# Altium PCB Bran_Main_Assay_PCB_v2_20170728.pcbdoc (part 2 of 4) (continued)
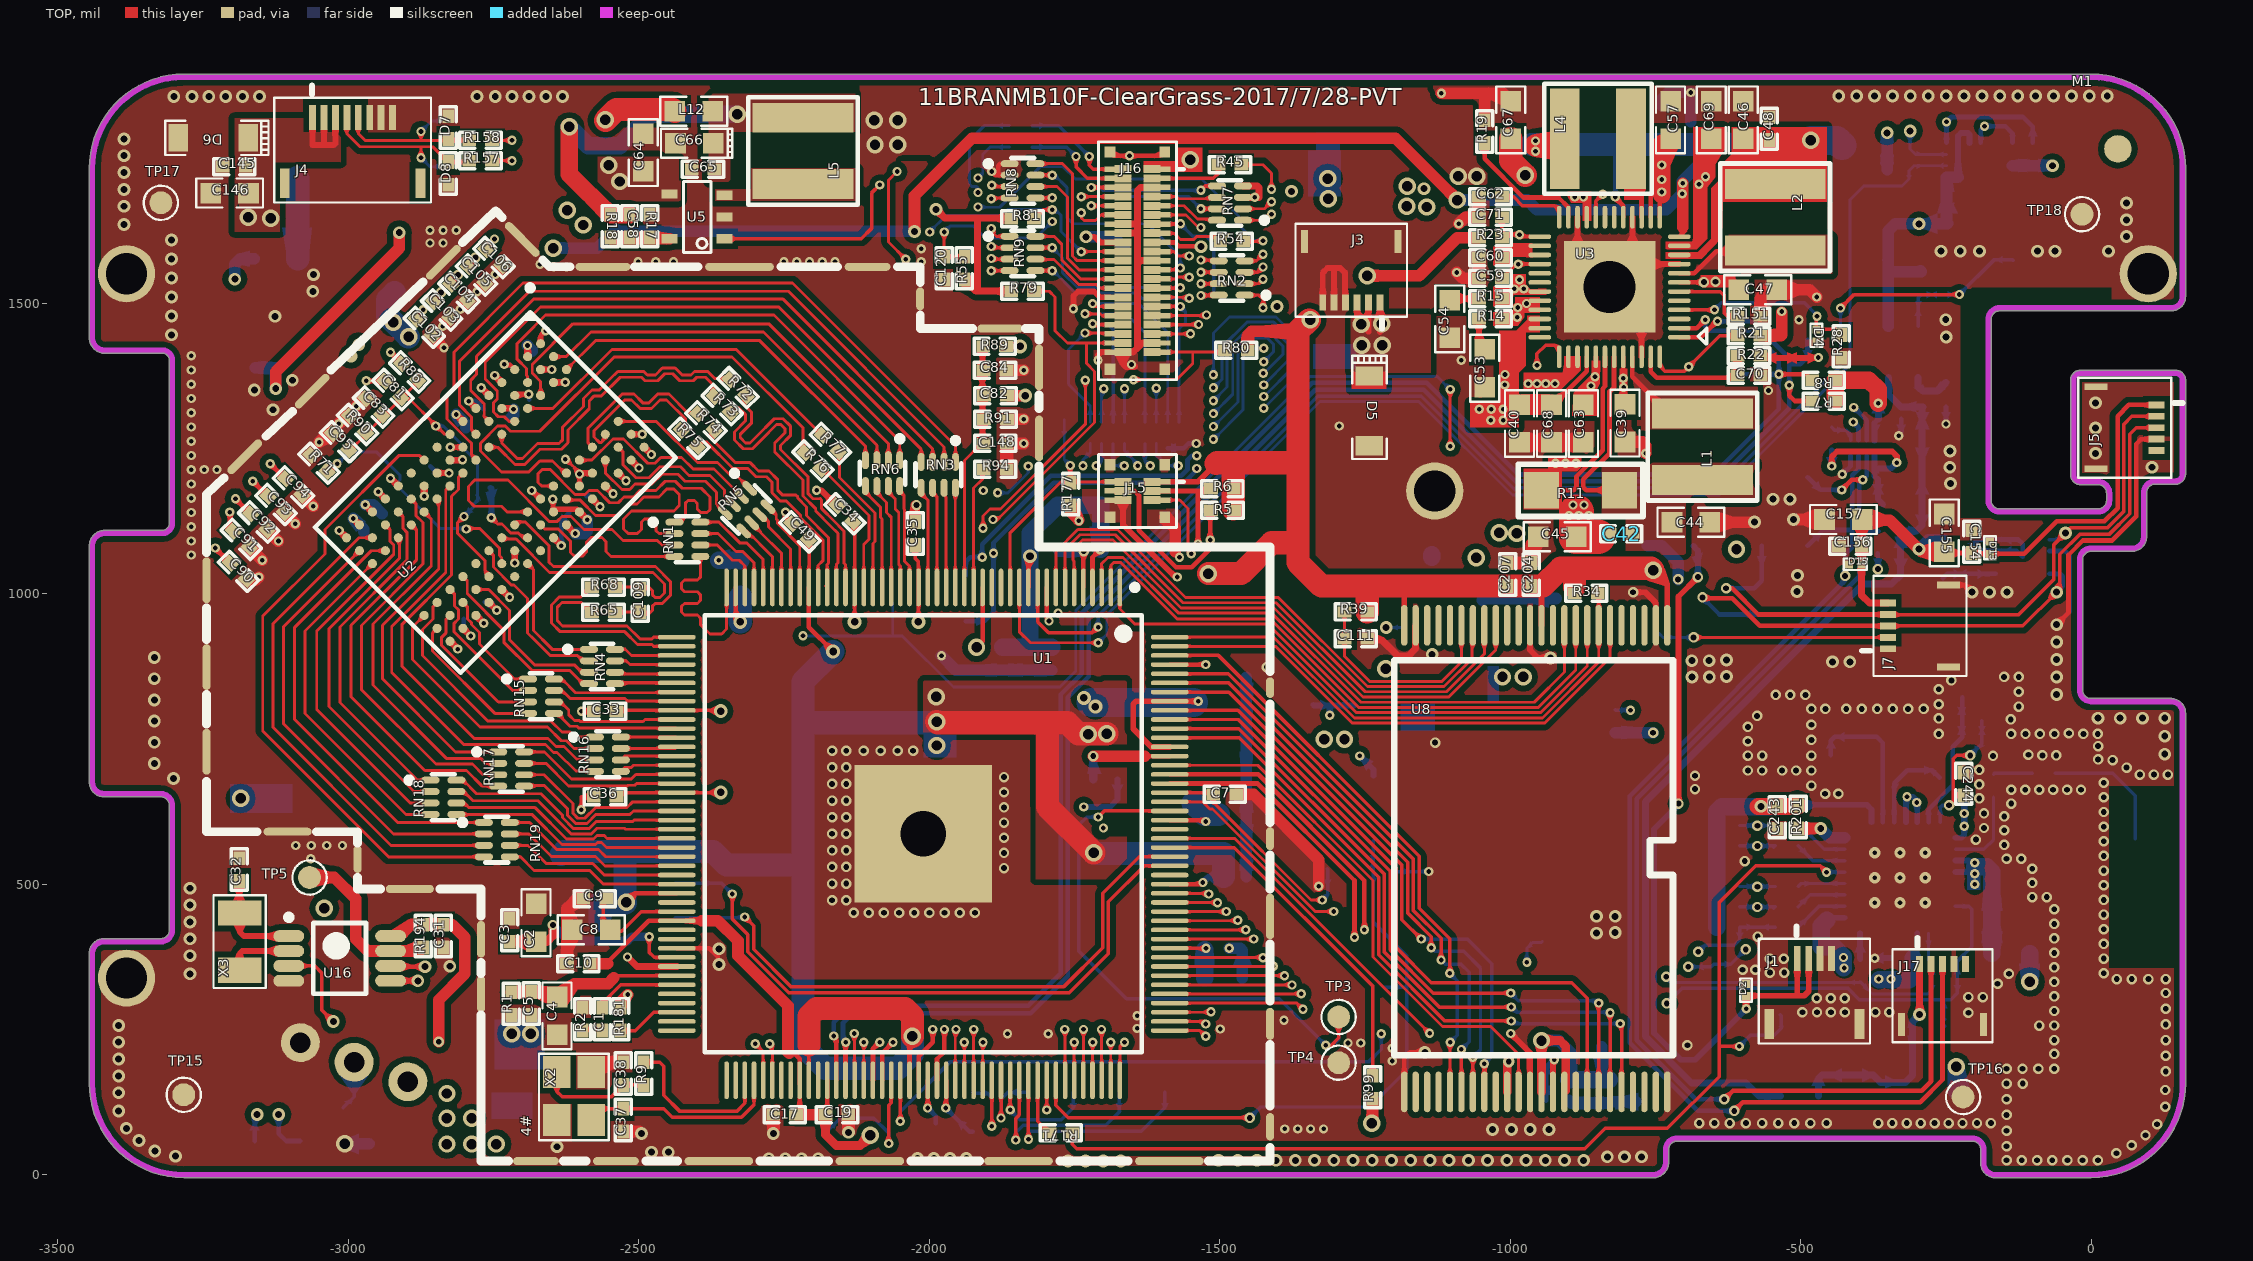
[diagram p0: TOP view]
## Nets (pads, with @x,y where several pads share a name; then routed paths per layer and width w, separated by ;. In a path a pad name is that pad's centre, name@x,y a point inside that pad or via, vN(x,y) a via of type N, cw(c..) or ccw(c..) an arc to the next point about the centre after c; other vN are vias at no path point) (continued)
  TOP w12: J16.42@-1666.73,1415 -1666.73,1397.02 -1661.45,1391.74 v1@-1646.45,1391.74 ; J16.42@-1666.73,1416.14 -1649.05,1416.14 -1641.95,1423.24 ; J16.16@-1666.73,1620.87 -1642.07,1620.87 ; J16.14@-1666.73,1636.61 -1642.07,1636.61 ; J16.39@-1616.73,1431.89 -1633.3,1431.89 -1641.95,1423.24 ; J16.21@-1616.73,1573.62 -1636.39,1573.62 -1641.95,1568.06 ; J16.5@-1616.73,1699.61 -1636.39,1699.61 -1641.95,1694.04 -1641.95,1568.06 ; RN7.3@-1460.22,1682.58 -1460.06,1682.74 -1432.45,1682.74 -1432.45,1699.74 -1434.98,1702.27 RN7.4@-1460.22,1702.27 ; C111.1@-1245.79,923 C111.1@-1245.96,922.83 -1244.13,921 -1221.46,921 -1193.46,893 -1175.38,893 -1162.72,905.67 U8.23@-1162.72,945.83 U8.23@-1162.65,945.76 ; -1641.95,1423.24 -1641.95,1568.06
  TOP w15: C102.2@-2853.84,1443.33 -2853.84,1442.33 v1(-2835.43,1423.92) ; v1(-2837.43,1460.92) -2825.02,1473.33 C103.2@-2823.84,1473.33 ; v1(-2807.43,1489.92) C104.2@-2793.85,1503.32 ; v1(-2778.43,1519.92) -2765.02,1533.33 C105.2@-2763.84,1533.33 ; v1(-2747.43,1549.92) C106.2@-2733.85,1563.32 ; C35.1@-2024.43,1125.97 -2024.79,1127.93 v8@-2025.07,1148.93 ; v8@-2025.07,1148.93 v8(-2022.08,1152.84) -2025.07,1152.84 v8@-2025.07,1148.93
  TOP w20: C90.2@-3173.84,1023.33 -3160.02,1023.33 v1(-3154.43,1028.92) ; C91.2@-3168.84,1078.33 v1(-3148.43,1057.92) ; C92.2@-3138.84,1108.33 -3137.84,1108.33 v1(-3120.43,1090.92) ; C93.2@-3108.84,1138.33 v1(-3091.43,1120.92) ; C94.2@-3078.84,1168.33 -3077.84,1168.33 v1(-3060.43,1150.92) ; v1(-3050.43,1260.92) -3033.84,1277.51 C95.2@-3029.02,1277.51 ; v1(-3016.43,1292.92) -3001.84,1307.51 R90.1@-3000.02,1307.51 ; v1(-2986.43,1322.92) C83.1@-2972.03,1337.5 ; C10.1@-2623.7,363.31 -2623.7,458.46 C9.1@-2603.33,478.83 ; X2.2@-2582.02,176.98 -2565.01,193.99 C38.1@-2527.02,193.99 ; C37.1@-2526.46,74.07 C37.1@-2527.02,74.62 -2499.09,74.62 v3(-2495.46,71) ; C17.1@-2268.7,103.31 -2268.46,103.08 v3(-2268.46,71) ; v3(-2139.33,73.13) C19.1@-2139.33,103.31 ; R94.1@-1866.74,1214.92 C148.1@-1866.74,1258.92 ; C84.2@-1864.93,1385.04 v1(-1837.56,1385.05) ; C148.1@-1864.38,1258.92 v1(-1837.43,1258.92) ; R91.1@-1864,1300.88 v1(-1837.47,1300.88) ; J15.8@-1594.69,1131.89 -1576.45,1113.65 -1576.45,1072.6 ; C7.1@-1471.76,654.74 -1441.57,654.74 -1329.45,542.62 v1(-1329.45,496.69) ; v1(-1118.45,1861.74) -1012.43,1861.74 C67.2@-999.02,1848.33 ; v1(-1091.89,1553.31) -1081.89,1543.31 C59.1@-1053.7,1543.31 C60.2@-1053.7,1578.31 ; v1(-1088.46,1637.31) -1077.46,1648.31 C71.1@-1053.7,1648.31 C62.1@-1053.7,1683.31 ; C53.2@-1051.52,1348.31 C53.2@-1044.02,1355.81 ; R19.1@-1044.02,1815.51 -1044.02,1859.31 ; C207.1@-1004.02,1052.99 C204.1@-964.02,1052.99 -964.02,1085.81 C45.2@-951.52,1098.31 ; C40.1@-984.02,1260.81 C68.2@-929.02,1260.81 C63.1@-874.02,1260.81 ; C39.2@-802.46,1261.5 -772.81,1261.5 -766.46,1255.16 v1(-766.46,1242) ; C44.2@-656.52,1123.31 v3@-579.02,1123.31 ; R151.1@-569.33,1478.31 -569.33,1507.99 -554.02,1523.31 C47.2@-541.52,1523.31 -484.77,1523.31 v1(-472.46,1511) ; v3(-512.29,1128) C157.2@-458.96,1128
  BOTTOM w6: R190.2@-1194.76,520.83 -1193.49,522.1 v1(-1140.02,522.1)
  BOTTOM w8: RN10.2@-1589.61,1250.96 RN10.1@-1569.92,1250.96 -1562.32,1250.96 -1554.45,1258.83 v1(-1540.45,1258.83) ; v1(-428.3,1205.99) -414.13,1220.16 U20.4@-414.13,1237.81 ; v1@-326.78,1271.51 C241.2@-326.78,1301 ; v1(-249.78,1292.47) C236.2@-249.78,1322 ; U21.2@-71.74,1073.84 -44.84,1073.84 -37,1066 -37,969.29 v3(-59.3,946.99) ; C238.2@-205,1074.69 -205,1083 -194.47,1093.53 U21.8@-164.26,1093.53 -125.53,1093.53 -118,1086 U21.9@-118,1064 -127.84,1073.84 U21.7@-164.26,1073.84 -165.1,1074.69 C238.2@-205,1074.69
  BOTTOM w10: C96.2@-2755.51,1182.84 -2753.84,1181.17 v1(-2753.84,1130.92) ; v1(-1734.02,633.31) -1689.02,633.31 -1675.96,646.36 C18.1@-1675.96,680.83 ; v1(-372.3,372.99) C246.2@-345.98,372.99
  BOTTOM w20: v4@-3004.02,53.31 C41.1@-2964.52,53.31 ; v1(-2970.84,1153.34) -2957.39,1153.34 C87.2@-2942.22,1138.17 ; v1(-2814.61,1308.9) -2797.65,1291.94 -2797.65,1286.62 C99.2@-2797.94,1286.33 ; C101.2@-2720.02,1303.33 -2715.65,1307.7 v1(-2715.65,1317.83) ; v1(-2691.7,1427.59) -2683.84,1419.73 C100.2@-2683.84,1417.51 ; v1(-2609.43,1103.92) -2593.25,1103.92 -2588.85,1108.32 -2588.84,1109.98 v1(-2588.86,1127.7) ; v1(-1979.02,893.31) -1954.33,868.62 C23.1@-1874.02,868.62 C21.1@-1829.02,868.62 C22.1@-1789.02,868.62 ; v1(-1483.65,389.83) -1464.76,389.83 -1461.15,386.21 C15.2@-1461.15,338.83 ; C28.1@-1454.33,513.31 C30.1@-1454.33,553.31 C24.1@-1454.33,613.31 C25.1@-1454.33,737.83 C26.1@-1454.33,814.83 C27.1@-1454.33,856.83 ; R35.2@-899.33,128.31 -894.65,123.62 C208.1@-864.02,123.62 C209.1@-829.02,123.62 C209.1@-826.81,125.83 ; C209.1@-826.65,125.98 TP24.1@-783.46,125.98 ; C55.2@-739.02,1840.81 -739.02,1851.83 -727.54,1863.31 -689.02,1863.31 C56.2@-689.02,1812.99
  BOTTOM w30: v1(-2362.43,1057.92) -2325.74,1057.92 C142.1@-2324.65,1056.83
  other v1: -1388.3,78.99 -1365.97,78.99 -1343.63,78.99 -1321.3,78.99 -1203.3,195.99 -1203.3,217.99 -1279.3,226.99 -1257.3,226.99 -1865.3,242.99 -1795.3,242.99 -1499.3,250.99 -1642.3,251.99 -1389.3,265.99 -1642.3,273.99 -3064.94,543.99 -3090.55,566.99 -3063.8,566.99 -3037.05,566.99 -3010.3,566.99 -1700.3,596.99 -1778.3,966.99 -1569.3,1062.99 -3270.3,1066.99 -3270.3,1090.99 -3270.3,1115.53 -3270.3,1140.07 -3270.3,1164.61 -1907.3,1177.99 -3270.3,1189.15 -3270.3,1213.68 -3248.3,1213.99 -3226.3,1213.99 -3270.3,1238.22 -3270.3,1262.76 -330.94,1271.99 -3270.3,1287.3 -1294.46,1289 -3270.3,1311.84 -3270.3,1336.38 -555.46,1350 -3270.3,1360.91 -3270.3,1385.45 -1651.94,1394.99 -1084.3,1401.99 -3270.3,1409.99 -503,1472 -2646.57,1562.96 -2624.38,1562.86 -2670.23,1567.48 -2501.3,1571.99 -2470.8,1571.99 -2440.3,1571.99 -2250.3,1571.99 -2228.3,1571.99 -2206.3,1571.99 -2184.3,1571.99 -2162.3,1571.99 -2013.94,1571.99 -2013.94,1593.99 -2859.63,1603.99 -2836.97,1603.99 -2859.63,1625.99 -2836.97,1625.99 -2814.3,1625.99 -1439.94,1682.99 -689.17,1863.15
  other v2: -145.46,25 -119.3,25 -93.13,25 -66.96,25 -40.8,25 -14.63,25 11.53,25 43.54,37 -145.46,49 69.54,51 93.54,68 -145.46,76 113.54,87 -674.46,89 -648.46,89 -622.06,89 -594.3,89 -566.53,89 -538.76,89 -511,89 -483.23,89 -455.47,89 -366.46,89 -342.46,89 -317.46,89 -293.46,89 -269.46,89 -245.46,89 -221.46,89 -196.46,89 -172.46,89 -145.46,103 127.54,117 -145.46,130 127.54,146 -145.46,157 -117.65,156.97 128.54,178 -145.46,182.62 -118.13,182.62 -90.8,182.62 -63.46,182.62 128.54,205 -63.46,208 -694.94,222.99 -63.46,232 128.54,232 -89.19,256.95 -63.46,257 128.54,259 -211.3,278.99 -496.94,279.99 -471.94,279.99 -447.94,279.99 -423.94,279.99 -371.46,280 -347.46,280 -63.46,282 128.54,286 -472.3,303.99 -448.3,303.99 -424.3,303.99 -211.3,305.99 -186.3,305.99 -63.46,307 128.54,313 -160.94,328.99 -63.46,332 44.06,336.99 70.06,336.99 98.54,337 128.54,337 -141.46,346 21.54,347 -553.02,347.99 -528.3,347.99 -600,353 -578,353 -63.46,357 -553.3,371.99 -529.3,371.99 21.54,372.23 -63.46,382 21.54,397.46 -63.46,407 -573.94,409.99 21.54,422.69 -63.46,432 21.54,447.92 -2129.94,450.99 -2104.25,450.99 -2078.15,450.99 -2052.05,450.99 -2025.95,450.99 -1999.85,450.99 -1973.75,450.99 -1947.65,450.99 -1921.55,450.99 -63.46,457 -2167.45,472.74 -2142.94,472.74 21.54,473.15 -101.46,478 -76.46,478 21.54,498.38 -2167.45,501.32 -2142.94,501.32 -101.46,502.5 21.54,523.61 -101.46,527 -1871.45,527.94 -2167.45,529.91 -2142.94,529.91 -596.3,539.99 -145.46,544 -120.46,544 21.54,548.85 -1871.45,554.04 -2167.45,558.49 -2142.94,558.49 -149.46,568 21.54,574.08 -198.46,577 -1871.45,580.14 -2167.45,587.07 -2142.94,587.07 -149.46,593 -184.46,597 21.54,599.31 -1871.45,606.24 -2167.45,615.66 -2142.94,615.66 -149.46,617 -184.46,622 21.54,624.54 -1871.45,632.34 -137.46,639 -2167.45,644.24 -2142.94,644.24 -192.46,648 21.54,649.77 -457.94,655.99 -434.94,655.99 -1871.45,658.44 -137.46,663 -113.46,663 -89.46,663 -65.46,663 -41.46,663 -17.46,663 -681.94,663.99 -481.45,670 -192.46,672 -2167.45,672.82 -2142.94,672.82 21.54,675 -1871.45,684.54 -681.94,686.99 84.06,688.99 108.06,688.99 132.06,688.99 -590.94,695.99 -566.46,695.99 -531.94,695.99 -507.94,695.99 -481.45,695.99 -192.46,697 -2167.45,701.41 -2142.94,701.41 61,701 37,714 12,715 -168.94,720.99 -590.94,721.66 -566.3,721.66 -481.45,721.66 -83.94,721.99 -59.94,721.99 -107.94,722.99 -2167.45,729.99 -2142.94,729.99 -2113.05,729.99 -2083.85,729.99 -2054.65,729.99 -2027.94,729.99 12,738 -1129.3,743.99 -590.94,746.33 -481.45,748.62 -262.45,759 -137.91,759 -113,759 -88.1,759 -63.19,759 -13.37,759 11.53,759 -38.28,760 -590.94,770.99 -481.45,774.81 -138.46,784 -262.45,785.74 -574.94,789.99 -481.46,802 -457.46,802 -421.46,802 -394.86,802 -368.26,802 -341.66,802 -315.05,802 -288.45,802 -124.46,806 -262.46,810 -542.94,825.99 -517.94,825.99 -491.94,825.99 -124.46,831.5 -262.46,836 -240.46,851 -149.94,856.99 -124.46,856.99 -1418.94,873.99
  other v3: -1761.3,23.99 -1730.97,23.99 -1700.63,23.99 -1670.3,23.99 -1502.3,24.99 -1469.2,24.99 -1436.11,24.99 -1403.01,24.99 -1369.92,24.99 -1336.82,24.99 -1303.73,24.99 -1270.63,24.99 -1237.54,24.99 -1204.44,24.99 -1171.35,24.99 -1138.25,24.99 -1105.16,24.99 -1072.06,24.99 -1038.97,24.99 -1005.87,24.99 -972.78,24.99 -939.68,24.99 -906.59,24.99 -873.49,24.99 -2276.31,27.71 -2247.98,27.71 -2219.64,27.71 -2191.31,27.71 -2020.3,27.99 -1992.3,27.99 -1964.3,27.99 -1936.3,27.99 -832.94,30.99 -803.44,30.99 -773.94,30.99 -3297.72,31.98 -2478.3,38.99 -2449.3,38.99 -3333.3,40.99 -2640.87,48.28 -3360.3,58.99 -1030.46,78 -998.04,78 -965.62,78 -933.2,78 -3382.3,79.99 -3395.46,110 -3395.48,141.26 -3395.48,170.26 -3395.48,199.26 -3395.48,228.26 -3395.48,257.26 -3272.46,346 -2825.46,359 -2361.94,361.99 -3272.48,377.26 -2361.94,388.99 -3272.48,406.26 -851.3,415.99 -819.3,416.99 -3272.48,435.26 -851.3,444.99 -819.3,444.99 -3272.48,464.26 -3272.48,493.26 -3301.02,682.1 -3334.02,707.92 126.7,723.99 -3334.02,744.46 126.7,754.99 -3334.02,781 11.7,785.99 50.03,785.99 88.37,785.99 126.7,785.99 -3334.02,817.54 -59.3,826.99 -3334.02,854.08 -687.3,856.99 -657.3,856.99 -59.3,856.99 -627.46,858 -445.46,883 -415.46,883 -687.46,885 -657.46,885 -627.46,886 -59.3,886.99 -3334.02,890.61 -1134.3,895.99 -59.3,916.99 -175,1003 -145,1003 -506.46,1004 -505.46,1032 -579.45,1123.83 -547.48,1163 -518.46,1163 -242.3,1189.99 -243.3,1217.99 104.54,1218 7.54,1242 -243,1246 7.54,1285.5 -3129.94,1316.99 7.54,1329 -3161.94,1350.99 -3096.45,1367.74 -249.46,1442 -3304.3,1445.99 -250.3,1471.99 -3126.45,1477.74 -3304.3,1478.59 -3304.3,1511.19 -3061.2,1520.87 -3304.3,1543.79 -3060.25,1549.5 -3304.3,1576.39 -258.3,1589.99 -225.3,1589.99 -192.3,1589.99 -92.3,1589.99 -62.3,1589.99 29.7,1589.99 -3304.3,1608.99 60.7,1614.99 -3386.48,1636 60.7,1643.99 -3386.48,1667.26 60.7,1672.99 -3386.48,1696.26 -3386.48,1725.26 -3386.48,1754.26 -3386.48,1783.26 -3300.46,1856.02 -3269.2,1856.02 -3240.2,1856.02 -3211.2,1856.02 -3182.2,1856.02 -3153.2,1856.02 -2778.46,1856.02 -2747.2,1856.02 -2718.2,1856.02 -2689.2,1856.02 -2660.2,1856.02 -2631.2,1856.02 -434.46,1857.02 -403.65,1857.02 -372.84,1857.02 -342.03,1857.02 -311.22,1857.02 -280.41,1857.02 -249.6,1857.02 -218.79,1857.02 -187.98,1857.02 -157.17,1857.02 -126.35,1857.02 -95.54,1857.02 -64.73,1857.02 -33.92,1857.02 -3.11,1857.02 27.7,1857.02
  other v4: -3006.02,53.31
  other v6: -372.32,468 -329.02,468 -285.71,468 -372.32,511.31 -329.02,511.31 -285.71,511.31 -372.32,554.61 -329.02,554.61 -285.71,554.61
HPBP: C8.2 C9.2 U1.75 | length 198.9
  TOP w6: C9.2@-2561.6,478.83 -2561.6,423.83 -2560.65,423.83 -2555.65,418.83 -2530.65,418.83 -2530.65,419.83 -2528.65,419.83 -2495.65,453.06 U1.75@-2434.64,453.06
HPVCC: C10.2 C15.1 C16.2 C17.2 C18.2 C19.2 C121.2 C122.2 C123.2 C152.2 C154.2 C155.2 C156.1 C157.1 C204.2 C207.2 C208.2 C209.2 C235.1 C240.2 C241.1 D13.1 D15.1 J5.1 J7.5 J15.1 J16.1 L12.1 R3.1 R4.1 R5.1 R6.1 R7.1 R8.1 R23.2 R32.1 R34.1 R39.1 R55.2 R79.1 R80.1 R81.1 R99.2 R129.1 R130.1 R131.1 R177.2 R199.1 R213.1 TP12.1 TP23.1 U1.5 U1.76 U1.97 U1.100 U1.142 U1.163 U8.1 U8.12 U8.24 U8.34 U8.37 U8.39 U10.2 U10.3 U10.9 U10.10 U19.1 U20.8 | length 12875
  TOP w6: C17.2@-2223.03,103.31 U1.97@-2223.03,155.83 ; U1.142@-1586.22,390.07 -1540.89,390.07 -1540.65,389.83 v1(-1523.65,389.83)
  TOP w8: -2554.02,365.93 -2482.64,437.31 U1.76@-2434.64,437.31 -2391.45,437.31 ; -2242.93,219.36 -2223.03,199.46 U1.97@-2223.03,162.71 U1.97@-2223.03,155.83 ; C19.2@-2175.78,106.24 U1.100@-2175.78,162.71 ; U1.5@-1734.84,1011.13 v2@-1734.84,1072.48 ; -1629.06,720.78 U1.163@-1586.22,720.78 ; J16.1@-1616.73,1731.1 J16.1@-1593.5,1731.1 ; v3@-297.46,1078 v3(-296.46,1077) ; C155.2@-253,1072.5 -250.81,1070.31 C154.2@-205.46,1070.31 -204.16,1069.01 D13.1@-173.93,1069.01 -114.99,1069.01 -59,1125 22.92,1125 45.54,1147.62 45.54,1306 64.91,1325.37 J5.1@112.7,1325.37
  TOP w10: J15.1@-1616.73,1192.91 J15.1@-1593.5,1192.91 -1537.34,1192.91 -1505.95,1224.31 ; U8.24@-1182.4,945.83 -1182.4,1000 ; C204.2@-961.36,1010.96 -946.18,995.79 U8.12@-946.18,945.83 ; v4(-754.02,1040.83) -729.65,1016.46 U8.1@-729.65,945.83
  TOP w12: v3(-1988.46,1662) -1973.46,1647 -1917.3,1647 ; R55.2@-1939.45,1541.06 -1919.39,1521 R79.1@-1859.15,1521 ; -1917.3,1523.09 -1917.3,1647 ; R81.1@-1859.15,1646 -1860.15,1647 -1917.3,1647 ; C157.1@-394.93,1127.04 -394.93,997.46 -381.72,984.26 J7.5@-349.59,984.26
  TOP w15: C19.2@-2178.7,103.31 -2178.7,69.13 -2159.99,50.42 -2118.87,50.42 v4(-2101.3,67.99) ; U8.34@-1005.24,142.68 -1005.24,192.23 v9(-1002.46,195) ; U8.37@-946.18,142.68 v4(-946.18,231.14) -914.45,231.14 -904.52,221.21 U8.39@-904.52,144.97
  TOP w20: C10.2@-2584.33,363.31 -2554.02,363.31 ; -2391.45,437.31 -2363.93,437.31 -2329.3,402.68 -2329.3,376.81 -2243.3,290.81 -2243.3,222.99 ; -2242.93,219.36 -2242.93,222.62 -2243.3,222.99 ; -2241.25,209.19 -2243.3,211.24 -2243.3,222.99 ; C17.2@-2229.33,103.31 -2223.03,103.31 C19.2@-2178.7,103.31 ; R177.2@-1756.46,1152.31 -1756.46,1141.26 v1@-1742.45,1127.24 ; v2(-1717.65,720.83) -1629.06,720.83 ; R80.1@-1451.76,1419.74 -1451.76,1445.7 -1445.45,1452.02 -1365.45,1452.02 ; v4@-1242.2,1547.74 -1156.45,1547.74 -1090.88,1613.31 R23.2@-1053.7,1613.31 ; v4(-1238.02,88.83) -1237.02,89.83 R99.2@-1237.02,131.15 ; C204.2@-968.54,1003.78 C204.2@-961.36,1010.96 ; C157.1@-392,1127 -346.46,1127 v3@-297.46,1078 ; v3(-296.46,1077) -291.96,1072.5 C155.2@-253,1072.5
  TOP w30: R7.1@-440.78,1332 R8.1@-440.78,1368 -382.46,1368 -366.46,1352 v1(-366.46,1328)
  TOP w40: v4@-2557.46,1815 -2538.51,1833.96 -2441.17,1833.96 L12.1@-2437.95,1830.74 ; v4(-1519.46,1035) -1463.46,1035 -1410.46,1088 -1365.45,1088 ; -1505.95,1224.31 -1504.52,1225.74 -1476.46,1225.74 ; R5.1@-1476.76,1146.74 -1476.76,1225.44 -1476.46,1225.74 ; v4@-1345.98,1471.49 -1365.45,1452.02 -1365.45,1225.74 ; R39.1@-1245.96,968.83 -1245.96,1013.62 ; -889.13,1011.73 -889.13,1027.57 ; v4(-754.02,1040.83) -757.5,1044.31 -913.02,1044.31 -943.7,1013.62 C204.2@-964.02,1013.62 C207.2@-1004.02,1013.62 -1245.96,1013.62 ; -1476.46,1225.74 -1365.45,1225.74 ; -1365.45,1088 -1365.45,1225.74 ; -1365.45,1088 -1365.45,1054 -1325.07,1013.62 -1245.96,1013.62
  Singal w20: v2(-1734.02,1073.31) -1734.02,871.45 -1760.02,845.45 -1760.02,739.39 -1741.45,720.83 v2(-1717.65,720.83)
  Singal w30: v4(-610.46,1077) v3(-296.46,1077)
  Singal w40: v4@-2557.46,1816 -2483.46,1816 -2334.46,1667 v3@-1993.46,1667 ; v3(-1988.46,1662) -1988.46,1713.72 -1910.19,1792 -1550.3,1792 ; v4@-1550.3,1747.17 -1550.3,1792 ; v4@-1342.45,1472 -1309.46,1472 -1248.46,1533 -1248.46,1735 -1305.46,1792 -1550.3,1792
  POWER w20: v3(-351.13,1793.67) -351.13,1691.67 v3(-296.46,1637)
  POWER w30: v1(-366.46,1328) -298.46,1328 -296.46,1326 ; v3(-296.46,1077) -296.46,1326 ; v3@-296.46,1638 v3(-296.46,1637) -296.46,1326
  POWER w40: v4(-2101.3,67.99) -2101.3,100.99 -2048.98,153.31 -1769.51,153.31 -1705.21,89 -1505.51,89 -1463.52,131 ; v1@-1741.45,1119.74 -1741.45,1052.98 -1682.46,993.99 -1560.47,993.99 v4(-1519.46,1035) ; v1(-1523.65,389.83) -1523.65,360.18 -1461.46,298 -1461.46,133.05 -1463.52,131 ; v4(-946.18,231.14) v4@-946.18,237.28 ; v4(-610.46,1077) -723.46,1077 -754.02,1046.45 v4(-754.02,1040.83) v2(-754.02,760.83) -754.02,418.28 -827.3,344.99 -907.18,344.99 -946.18,305.99 v4@-946.18,237.28 ; -1463.52,131 -1317.72,131 -1276.46,89.74 -1093.72,89.74 v4@-946.18,237.28
  BOTTOM w10: U20.8@-372.8,1264.19 -372.8,1294.35 C241.1@-366.15,1301 ; U10.9@-229.29,1717.3 U10.2@-229.29,1776.35 -229.29,1787.98 -223.95,1793.33 -211.95,1793.33 -209.61,1790.98 U10.3@-209.61,1776.35
  BOTTOM w12: v1(-366.46,1328) -366.15,1327.68 C241.1@-366.15,1301
  BOTTOM w15: C18.2@-1717.69,680.83 -1717.65,680.87 v2(-1717.65,720.83)
  BOTTOM w20: C16.2@-1776.45,1073.43 -1734.13,1073.43 v2(-1734.02,1073.31) ; v4(-946.18,231.14) -916.85,231.14 -894.02,208.31 -894.02,168.62 R32.1@-899.33,163.31 ; -842.52,165.25 TP23.1@-842.52,220.47 ; R131.1@-819.02,761.15 -754.33,761.15 v2(-754.02,760.83) ; R129.1@-351.13,1730 R130.1@-351.13,1765.83 v3(-351.13,1793.67) ; TP12.1@-350.39,1574.8 TP12.1@-349.06,1573.46 ; U19.1@-349.06,1460.91 -349.06,1555 ; v3(-296.46,1077) -279.96,1093.5 R213.1@-254,1093.5 ; R199.1@-293.78,1556 R199.1@-292.46,1554.68 -348.74,1554.68 -349.06,1555 ; U10.9@-229.29,1717.3 U10.10@-248.98,1717.3 -248.98,1639.85 C152.2@-246.95,1637.83 -247.78,1637 v3(-296.46,1637) -337.46,1637 -349.06,1625.41 TP12.1@-349.06,1573.46 ; R3.1@-135.45,1737.14 R4.1@-100.45,1737.14 v3@-68.61,1737.14 ; -349.06,1555 TP12.1@-349.06,1573.46
  BOTTOM w30: C15.1@-1526.15,338.83 v1@-1526.15,387.33 ; R32.1@-899.33,163.31 C209.2@-829.33,163.31
  other v1: -1742.45,1125.74
  other v3: -66.46,1737
  other v4: -1344.46,1472 -1246.46,1548 -1550.46,1747 -2558.02,1816.31
IPSOUT: C39.1 C40.2 C47.1 C50.1 C57.1 C64.1 C67.1 C68.1 D18.2 L19.2 TP13.1 U3.7 U3.13 U3.14 U3.21 U3.34 U3.35 U3.40 U3.44 U4.4 U5.4 | length 2845.2
  TOP w8: C40.2@-984.02,1325.81 -1009.02,1350.81 v1(-1009.02,1377.74) -1009.02,1423.31 -975.1,1457.22 -975.1,1457.44 U3.35@-949.09,1457.44 ; C68.1@-929.02,1325.81 -926.13,1325.81 -868.39,1383.55 U3.40@-868.39,1408.23 ; U3.44@-805.39,1408.23 v1(-805.39,1371.31) -805.39,1332.19 C39.1@-799.02,1325.81 ; U3.14@-758.15,1648.39 -758.15,1689.17 -750.63,1696.69 -742.4,1696.69 U3.13@-742.4,1648.39 ; U3.7@-708.94,1536.18 -667.29,1536.18 v2(-666.65,1536.83) v2@-666.04,1537.43
  TOP w20: v1@-1054.02,1313.31 -1019.33,1313.31 ; -1019.02,1312.99 -996.83,1312.99 C40.2@-984.02,1325.81 ; v2@-666.65,1537.43 -666.04,1537.43 v2(-646.65,1537.43) -620.64,1537.43 C47.1@-606.52,1523.31
  TOP w30: v1@-739.02,1686.69 v1(-739.02,1691.69) v1(-739.02,1713.31) v1(-739.02,1738.31) C57.1@-739.02,1775.81
  TOP w35: C40.2@-984.02,1325.81 C68.1@-929.02,1325.81
  TOP w40: C67.1@-999.02,1783.33 -999.02,1745.83 v4(-974.02,1720.83)
  POWER w40: v4@-1088.45,1718.31 -1088.02,1718.74 v4(-1057.45,1718.74) -921.45,1718.74 v1@-886.02,1683.31
  POWER w80: -2996.45,1426.74 -2996.45,1659.74 -2962.45,1693.74 -2696.91,1693.74 -2652.91,1737.74 v4(-2551.45,1737.74) -2181.46,1737.74 -2125.2,1794 -2049.46,1794 ; -1043.46,1339.12 -1043.46,1317.99 -1043.46,1226 -997.46,1180 -997.46,1103.99 -997.46,855.99
  BOTTOM w30: L19.2@-1134.96,1063 L19.2@-1134.96,1067.5
  other v1: -1033.3,1298.99 -1012.3,1298.99 -1053.3,1317.99 -1032.8,1317.99 -1012.3,1317.99 -804.84,1355.28 -1009.45,1359.74 -889.02,1683.31 -874.02,1683.31
  other v4: -1013.3,856.99 -977.3,856.99 -988.94,1103.99 -1018.94,1104.99 -2532.88,1709.88 -1089.45,1718.74 -2093.46,1773 -2054.46,1773 -2094.46,1815 -2054.46,1815
  other v7: -2995.3,1408.99 -2982.3,1428.99
JTAG_CLK: TP89.1 U1.113 | length 110.6
  TOP w8: v1@-1971.06,115.88 U1.113@-1971.06,162.71
  BOTTOM w8: v1(-1971.94,114.99) -1930.86,73.91 TP89.1@-1925.2,73.91
JTAG_DO: TP85.1 U1.111 | length 79.2
  TOP w8: v1@-2002.56,115.38 U1.111@-2002.56,162.71
  BOTTOM w8: v1(-2002.94,114.99) -1988.94,100.99 -1988.94,88.9
LCD-CLK: R54.2 U1.129 | length 2320.8
  TOP w5: U1.129@-1719.09,162.71 v1@-1719.09,227.86 ; R54.2@-1459.76,1606.74 v1@-1424.45,1606.74
  Singal w5: v1(-1916.3,1665.99) -1925.3,1656.99 -1925.3,1292.32 -1830.81,1197.83 -1738.54,1197.83 -1651.65,1110.94 -1651.65,340.68 -1718.65,273.68 v1(-1718.65,228.31)
  BOTTOM w5: v1(-1916.3,1665.99) -1915.81,1665.5 -1878.79,1665.5 -1808.95,1735.34 -1769.8,1735.34 -1748.57,1714.11 -1531.31,1714.11 -1463.57,1646.37 -1463.57,1631.11 -1440.2,1607.74 v1(-1425.45,1607.74) v1@-1423.45,1607.74
LCD-D2: RN7.2 U1.148 | length 1371.9
  TOP w5: U1.148@-1586.22,484.56 v1@-1520.27,484.56 ; RN7.2@-1460.22,1662.9 -1423.04,1662.9 v1(-1410.94,1674.99)
  Singal w5: v1(-1519.02,483.31) -1487.95,514.37 -1487.95,1623.97 -1456.92,1654.99 -1430.94,1654.99 v1(-1410.94,1674.99)
LCD-D3: RN7.1 U1.147 | length 1379.3
  TOP w5: U1.147@-1586.22,468.81 -1525.03,468.81 ; -1525.02,468.81 v1@-1504.52,468.81 ; RN7.1@-1460.22,1643.21 -1421.23,1643.21 v1(-1410.94,1653.49)
  Singal w5: v1(-1504.02,468.31) -1477.45,494.87 -1477.45,1621.74 -1457.45,1641.74 -1422.7,1641.74 v1(-1410.94,1653.49)
LCD-D4: RN2.4 U1.146 | length 1304.1
  TOP w5: U1.146@-1586.22,453.06 v1@-1489.26,453.06 ; RN2.4@-1457.22,1573.27 -1436.92,1573.27 v1(-1425.45,1584.74)
  Singal w5: v1(-1489.02,453.31) -1468.45,473.87 -1468.45,1563.74 -1447.45,1584.74 v1(-1425.45,1584.74)
LCD-D5: RN2.3 U1.145 | length 1305.8
  TOP w5: U1.145@-1586.22,437.31 v1@-1470.01,437.31 ; RN2.3@-1456.06,1554.74 RN2.3@-1457.22,1553.58 -1434.61,1553.58 v1(-1425.45,1562.74)
  Singal w5: v1(-1469.02,438.31) -1459.45,447.87 -1459.45,1545.74 -1442.45,1562.74 v1(-1425.45,1562.74)
LCD-D6: RN2.2 U1.144 | length 1305.1
  TOP w5: U1.144@-1586.22,421.57 v1@-1455.75,421.57 ; RN2.2@-1457.22,1533.9 -1433.29,1533.9 v1(-1425.45,1541.74)
  Singal w5: v1(-1455.45,421.74) -1449.45,427.74 -1449.45,1529.99 -1437.7,1541.74 v1(-1425.45,1541.74)
LCD-D7: RN2.1 U1.143 | length 1287.1
  TOP w5: U1.143@-1586.22,405.82 v1(-1441.5,405.82) ; RN2.1@-1457.22,1514.21 -1432.92,1514.21 -1425.45,1506.74 v1(-1425.45,1492.74)
  Singal w5: v1(-1441.5,405.82) -1440.45,406.87 -1440.45,1477.74 v1(-1425.45,1492.74)
LCD-D10: RN8.3 U1.141 | length 2276
  TOP w5: v1(-1892.46,1703.5) -1890.12,1701.16 RN8.3@-1861.69,1701.16 ; U1.141@-1586.22,374.32 -1426.14,374.32 v1(-1425.65,373.83)
  Singal w5: v1(-1892.46,1703.5) -1884.96,1695.99 -1844.46,1695.99 -1823.46,1675 -1823.46,1534.4 -1746.46,1457.4 -1746.46,1332.74 -1734.46,1320.74 -1584.2,1320.74 -1537.94,1366.99 -1520.94,1366.99 v1(-1510.94,1376.99) ; v1(-1425.65,373.83) -1389.45,410.02 -1389.45,899 -1424.45,934 v1(-1424.45,1319.74)
  BOTTOM w5: v1(-1510.94,1376.99) -1510.94,1448.97 -1483.18,1476.74 -1403.45,1476.74 -1364.45,1437.74 -1364.45,1379.23 -1423.94,1319.74 v1(-1424.45,1319.74)
LCD-D11: RN8.4 U1.140 | length 2274.7
  TOP w5: v1@-1892.46,1680 -1890.99,1681.47 RN8.4@-1861.69,1681.47 ; U1.140@-1586.22,358.57 -1407.9,358.57 v1(-1407.65,358.83)
  Singal w5: v1@-1892.46,1680 -1845.46,1680 -1832.46,1667 -1832.46,1530.67 -1755.46,1453.67 -1755.46,1324.03 -1743.18,1311.74 -1580.47,1311.74 -1537.42,1354.79 v1(-1510.94,1354.79) ; v1(-1424.45,1339.74) -1423.94,1339.74 -1408.45,1324.25 -1408.45,930.73 -1380.45,902.73 -1380.45,386.02 v1(-1407.65,358.83)
  BOTTOM w5: v1(-1510.94,1354.79) -1496.44,1369.29 -1496.44,1424.49 -1453.2,1467.74 -1407.18,1467.74 -1373.45,1434.01 -1373.45,1390.23 -1423.94,1339.74 v1(-1424.45,1339.74)
  other v1: -1893.46,1680
LCD-D12: RN9.1 U1.139 | length 2247.4
  TOP w5: v1@-1888.46,1629 -1888.46,1619.53 -1884.46,1615.53 RN9.1@-1861.69,1615.53 ; U1.139@-1586.22,342.83 v1(-1388.65,342.83)
  Singal w5: v1@-1888.46,1629 -1863.46,1629 -1841.46,1607 -1841.46,1526.94 -1764.46,1449.94 -1764.46,1320.3 -1746.9,1302.74 -1576.74,1302.74 -1546.89,1332.59 v1(-1510.94,1332.59) ; v1@-1423.94,1359.74 -1399.45,1335.25 -1399.45,934.46 -1371.45,906.46 -1371.45,360.02 v1(-1388.65,342.83)
  BOTTOM w5: v1(-1510.94,1332.59) -1487.44,1356.09 -1487.44,1420.7 -1449.4,1458.74 -1410.9,1458.74 -1382.45,1430.28 -1382.45,1401.73 v1(-1424.45,1359.74)
  other v1: -1893.46,1629
LCD-D13: RN9.2 U1.138 | length 2247.1
  TOP w5: v1(-1893.46,1598) -1891.3,1595.84 RN9.2@-1861.69,1595.84 ; U1.138@-1586.22,327.08 -1375.9,327.08 v1(-1375.65,326.83)
  Singal w5: v1(-1893.46,1598) -1863.46,1598 -1850.46,1585 -1850.46,1523.21 -1773.46,1446.21 -1773.46,1316.57 -1749.63,1292.74 -1572.94,1292.74 -1555.29,1310.39 v1(-1510.94,1310.39) ; v1@-1423.94,1379.74 -1390.45,1346.25 -1390.45,938.18 -1362.45,910.18 -1362.45,340.02 v1(-1375.65,326.83)
  BOTTOM w5: v1(-1510.94,1310.39) -1477.67,1343.66 -1477.67,1417.74 -1445.67,1449.74 -1414.63,1449.74 -1391.45,1426.56 -1391.45,1412.23 -1423.94,1379.74 v1(-1424.94,1379.74)
LCD-D14: RN9.3 U1.137 | length 2246.1
  TOP w5: v1@-1893.46,1578 -1891.62,1576.16 RN9.3@-1861.69,1576.16 ; U1.137@-1586.22,311.33 -1360.14,311.33 v1(-1359.65,311.83)
  Singal w5: v1@-1893.46,1578 -1870.46,1578 -1859.46,1567 -1859.46,1519.48 -1782.46,1442.48 -1782.46,1312.84 -1753.36,1283.74 -1564.94,1283.74 -1560.49,1288.19 v1(-1510.94,1288.19) ; v1@-1423.45,1399.74 -1381.45,1357.74 -1381.45,941.91 -1353.45,913.91 -1353.45,318.02 v1(-1359.65,311.83)
  BOTTOM w5: v1(-1510.94,1288.19) -1468.67,1330.46 -1468.67,1414.01 -1441.94,1440.74 -1418.36,1440.74 -1407.45,1429.83 -1407.45,1416.74 v1(-1424.45,1399.74)
  other v1: -1893.46,1577.24
LCD-D15: RN9.4 U1.136 | length 2245.1
  TOP w5: v1@-1892.99,1556.47 RN9.4@-1861.69,1556.47 ; U1.136@-1586.22,295.58 -1367.4,295.58 v1(-1356.65,284.83)
  Singal w5: v1@-1892.99,1556.47 -1875.93,1556.47 -1868.46,1549 -1868.46,1514 -1791.46,1437 -1791.46,1309.12 -1757.09,1274.74 -1533.69,1274.74 -1524.94,1265.99 v1(-1510.94,1265.99) ; v1(-1424.45,1422.74) -1372.45,1370.74 -1372.45,947.98 -1344.45,919.98 -1344.45,297.02 v1(-1356.65,284.83)
  BOTTOM w5: v1(-1510.94,1265.99) -1459.67,1317.26 -1459.67,1410.28 -1447.22,1422.74 v1(-1424.45,1422.74)
  other v1: -1893.46,1556.47
LCD-D18: RN10.3 U1.135 | length 1143.8
  TOP w5: U1.135@-1586.22,279.83 -1515.64,279.83 v1(-1515.02,280.46)
  Singal w5: v1(-1571.45,1220.83) -1571.45,1200.83 -1595.3,1176.98 -1595.3,319.59 -1556.17,280.46 v1(-1515.02,280.46)
  BOTTOM w5: RN10.3@-1609.29,1258.83 RN10.3@-1609.29,1250.96 -1609.29,1239.83 -1590.29,1220.83 v1(-1571.45,1220.83)
LCD-D19: RN10.4 U1.134 | length 1128.8
  TOP w5: U1.134@-1586.22,264.09 -1528.54,264.09 v1(-1524.02,259.57)
  Singal w5: v1(-1619.45,1220.74) -1619.45,1149.85 -1604.3,1134.7 -1604.3,303.59 -1560.28,259.57 v1(-1524.02,259.57)
  BOTTOM w5: RN10.4@-1628.98,1258.83 RN10.4@-1628.98,1250.96 -1628.98,1228.96 -1620.75,1220.74 v1(-1619.45,1220.74)
LCD-D20: RN11.1 U1.133 | length 1165.3
  TOP w5: U1.133@-1586.22,248.34 -1534.05,248.34 v1(-1524.02,238.31)
  Singal w5: v1(-1641.45,1220.74) -1641.45,1159.13 -1613.3,1130.98 -1613.3,292.59 -1559.02,238.31 v1(-1524.02,238.31)
  BOTTOM w5: RN11.1@-1663.92,1258.83 RN11.1@-1663.92,1250.96 -1663.92,1246.3 -1642.45,1224.83 -1642.45,1221.74 v1(-1641.45,1220.74)